# Altium PCB STeaMi-VerB1.PcbDoc (part 1 of 5) (continued)
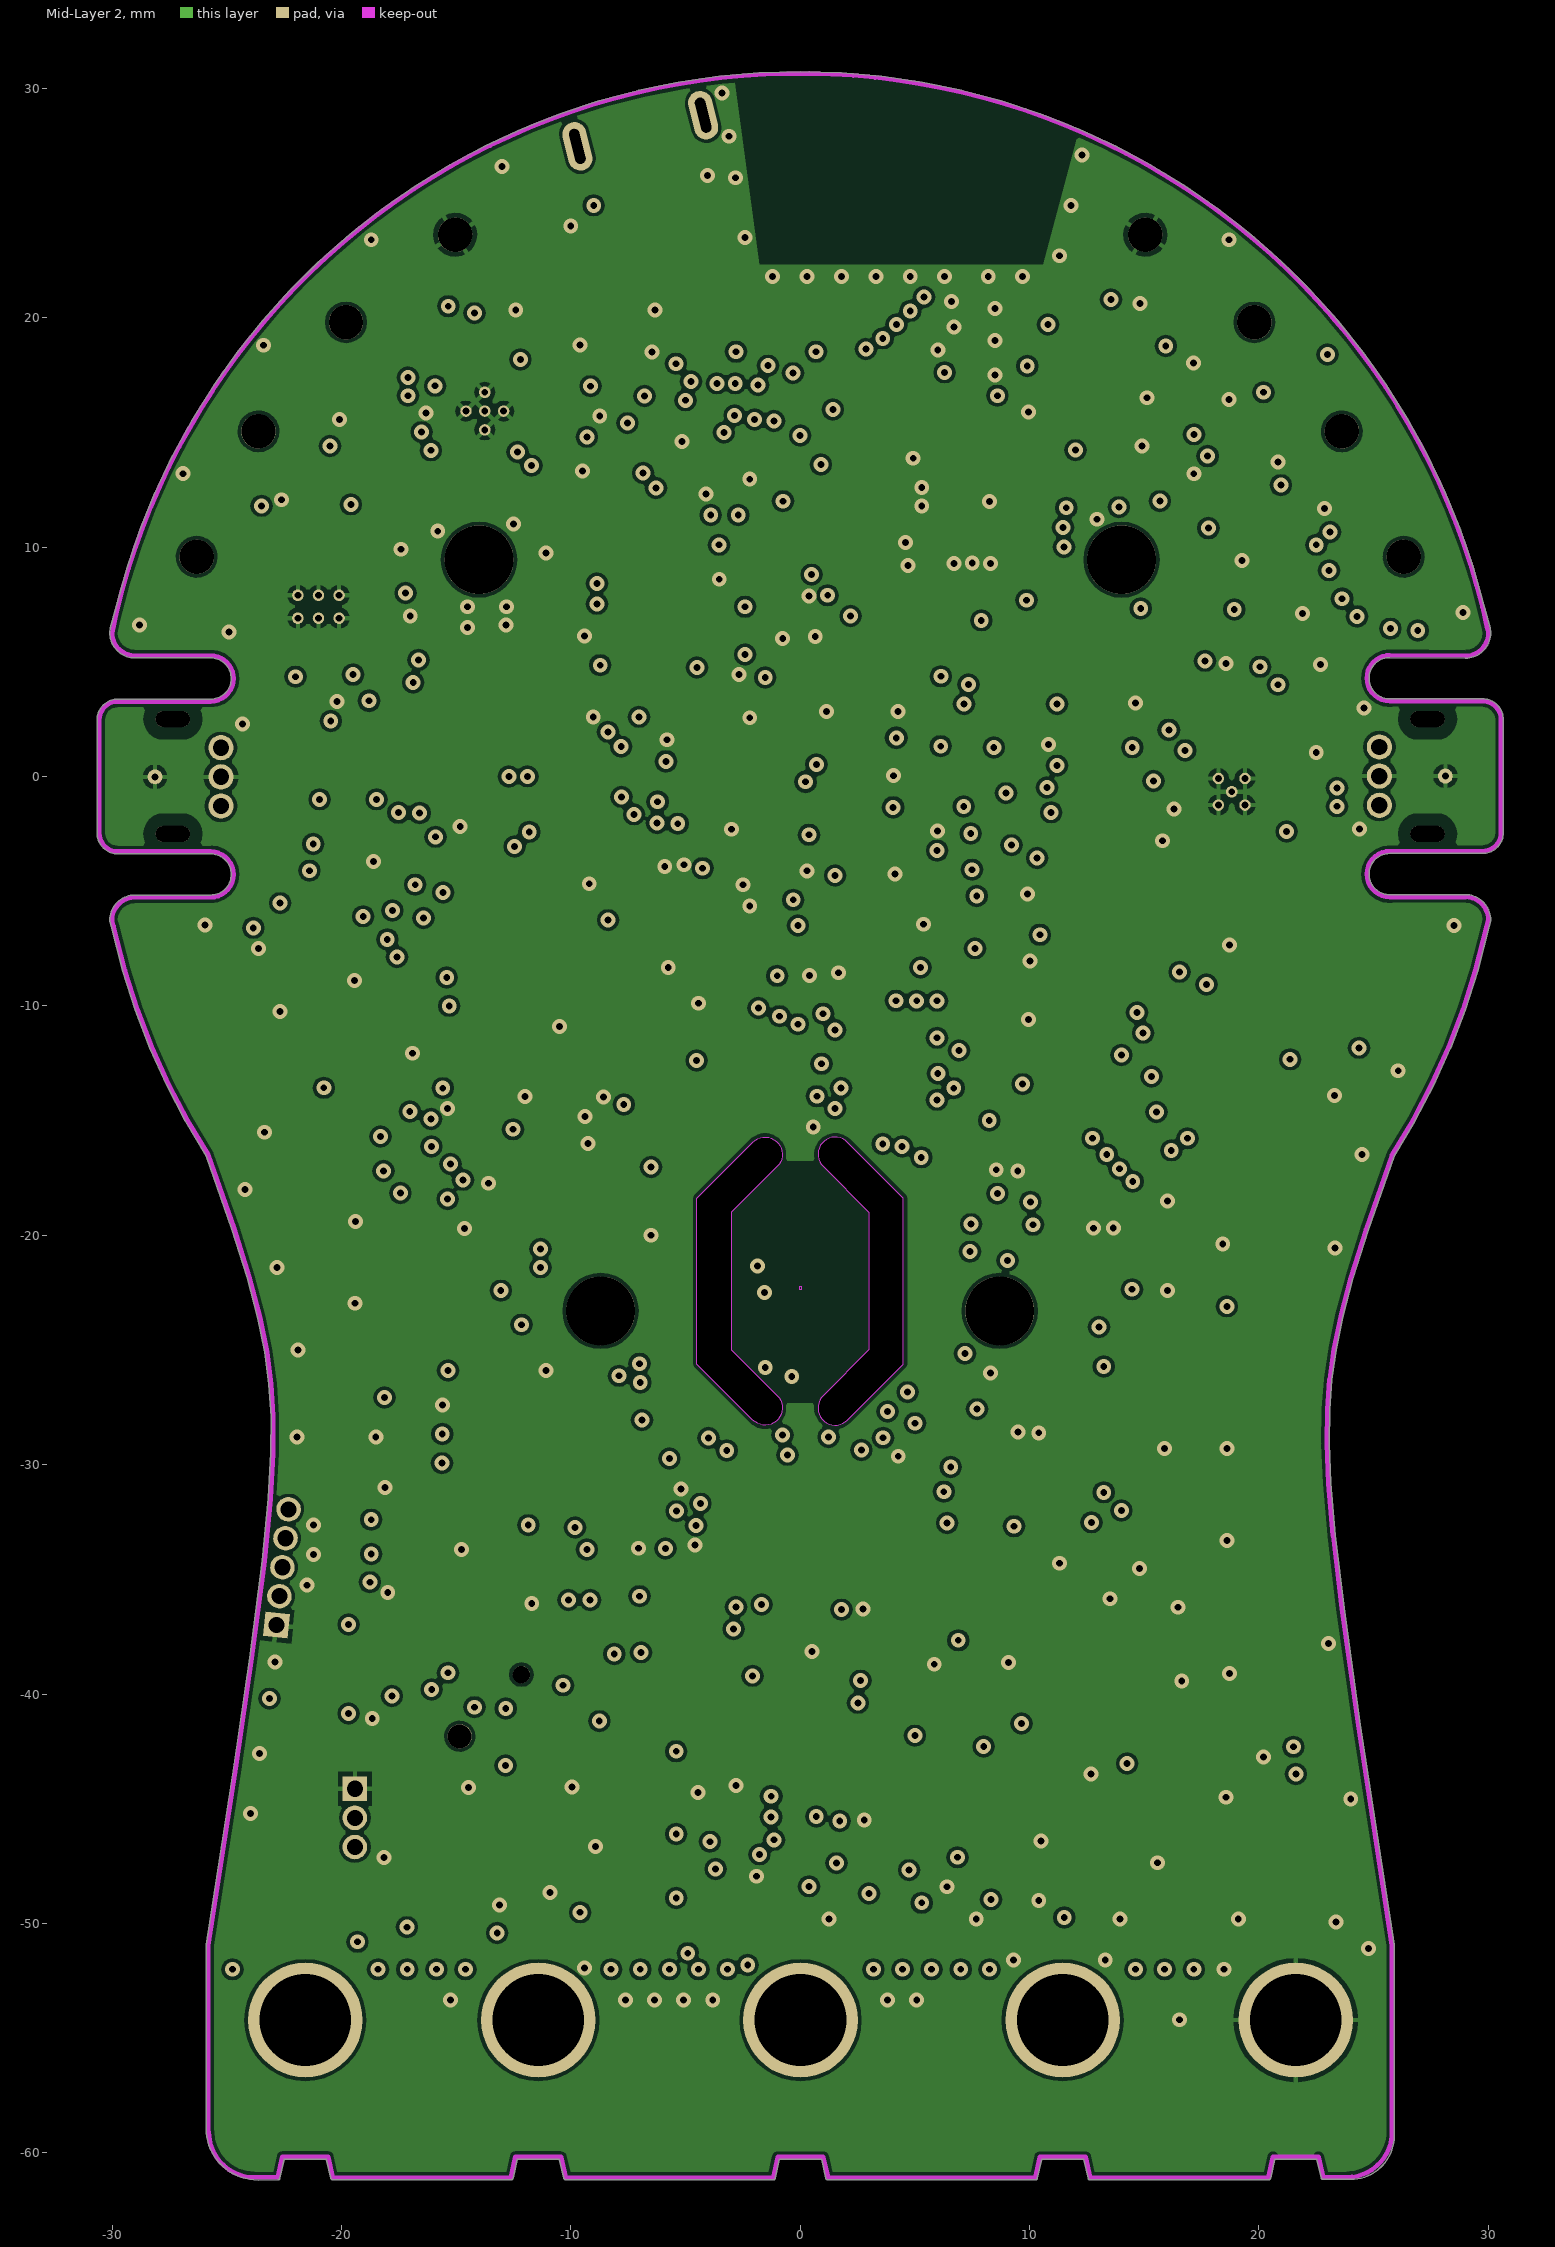
[diagram p3: Mid-Layer 2]
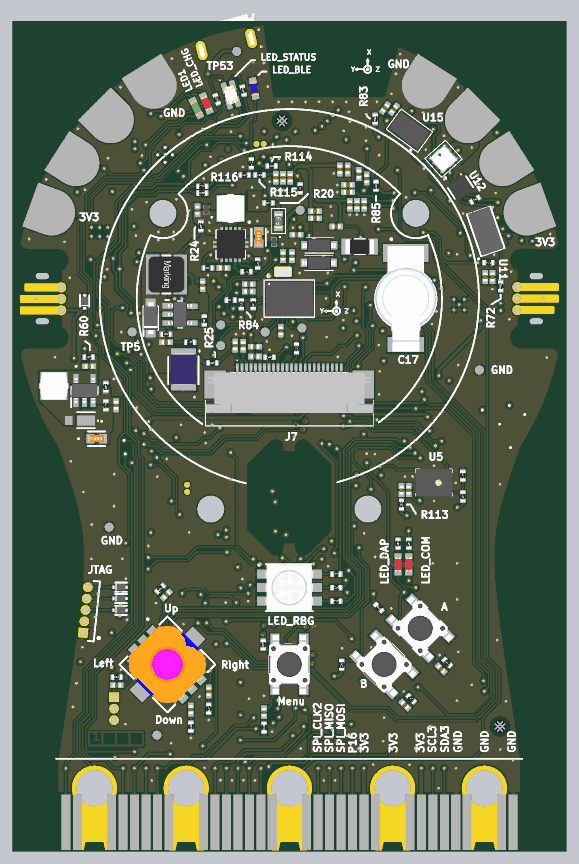
[diagram p8: 3D render of the assembled board from above, using the file's embedded part models]
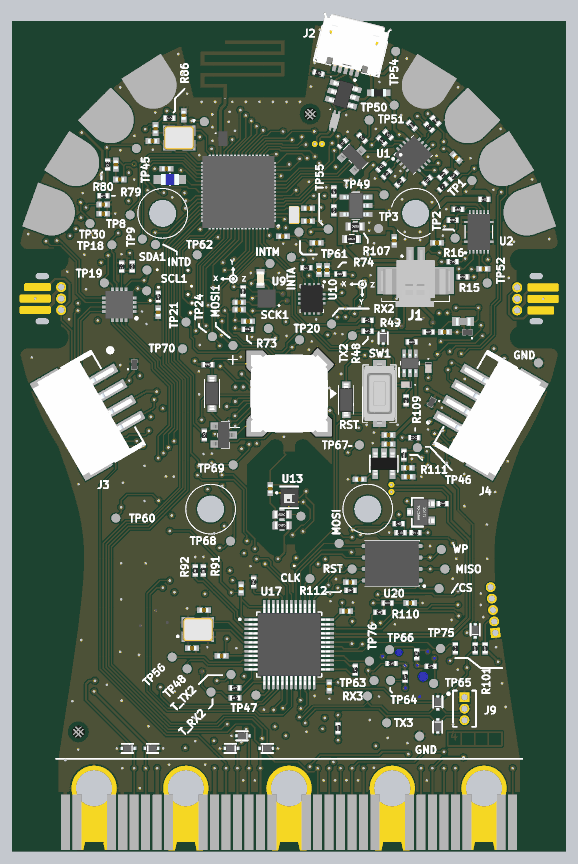
[diagram p9: 3D render of the assembled board from below, using the file's embedded part models]

## Layer stack, top to bottom
Top Solder: solder mask 0.015, Solder Resist, Dk 3.5
Top Layer: signal copper 0.035
Dielectric1: prepreg 0.201, Prepreg, Dk 4.5
Mid-Layer 1: signal copper 0.018
Dielectric2: core 1.065, FR-4, Dk 4.7
Mid-Layer 2: signal copper 0.018
Dielectric3: prepreg 0.201, Prepeg, Dk 4.5
Bottom Layer: signal copper 0.035
Bottom Solder: solder mask 0.015, Solder Resist, Dk 3.5

## Board outline
354 vertices, not listed, extent -30.65,-61.189 30.651,30.725

## Design rules (kind name [scope] priority, off if disabled: settings)
BoardOutlineClearance Microbit [All] p1: gap=0 ignorepadtopadclearanceinfootprint=FALSE
BoardOutlineClearance [All] p2: gap=0.25 ignorepadtopadclearanceinfootprint=FALSE except(0: Arc-SplitContinuation Track-SplitContinuation SMDPad-SplitContinuation THPad-SplitContinuation Via-SplitContinuation Fill-SplitContinuation Poly-SplitContinuation Region-SplitContinuation Text-SplitContinuation)
Clearance "Schematic Clearance Constraint_2" [InNet('I2C1_SCL')] p1: gap=0.16 ignorepadtopadclearanceinfootprint=FALSE except(0.15: Text-Text Text-Hole; 0.18: Arc-Arc Arc-Track Track-Track; 0.2: Arc-Fill Arc-Poly Arc-Region Track-Fill Track-Poly Track-Region)
Clearance "Schematic Clearance Constraint_1" [InNet('I2C1_SDA')] p2: gap=0.16 ignorepadtopadclearanceinfootprint=FALSE except(0.15: Text-Text Text-Hole; 0.18: Arc-Arc Arc-Track Track-Track; 0.2: Arc-Fill Arc-Poly Arc-Region Track-Fill Track-Poly Track-Region)
Clearance "Schematic Clearance Constraint" [InNet('NetANT1_1')] p3: gap=0.2 ignorepadtopadclearanceinfootprint=FALSE
Clearance U10 [InNamedPolygon('Bottom Layer-NetC48_2')] p4: gap=0.15 ignorepadtopadclearanceinfootprint=TRUE
Clearance GND_TOP [InNamedPolygon('GND_L01_P090')] p5: gap=0.15 ignorepadtopadclearanceinfootprint=FALSE
Clearance GND_BOTTOM [InNamedPolygon('GND_BOTTOM')] p6: gap=0.15 ignorepadtopadclearanceinfootprint=FALSE
Clearance GND_LAYER2 [InNamedPolygon('GND_L04_P100')] p7: gap=0.15 ignorepadtopadclearanceinfootprint=FALSE
Clearance 3V3_LAYER_1 [InNamedPolygon('+3V3@1200MA_L02_P060')] p8: gap=0.15 ignorepadtopadclearanceinfootprint=FALSE
Clearance POWER [InNamedPolygon('3V3_Layer1')] p9: gap=0.15 ignorepadtopadclearanceinfootprint=FALSE
Clearance DC/DC_GND [InNamedPolygon('DC/DC_GND')] p10: gap=0.15 ignorepadtopadclearanceinfootprint=FALSE
Clearance Microphone [InComponent('U5') vs OnLayer('Top Layer')] p11: gap=0 ignorepadtopadclearanceinfootprint=FALSE
Clearance HEADER_JTAG [InComponent('J8')] p12: gap=0.15 ignorepadtopadclearanceinfootprint=FALSE
Clearance "PAD Microbit" [InComponent('PCB1')] p13: gap=0.15 ignorepadtopadclearanceinfootprint=FALSE except(0: Arc-SMDPad Arc-Fill Arc-Poly Arc-Region Track-SMDPad Track-Fill Track-Poly Track-Region SMDPad-SMDPad SMDPad-Fill SMDPad-Poly SMDPad-Region Via-Fill Via-Poly Via-Region Fill-Fill Fill-Poly Fill-Region Poly-Poly Poly-Region Region-Region)
Clearance "PAD header" [InComponent('TP10') Or InComponent('TP11') Or InComponent('TP12') Or InComponent('TP13')Or InComponent('TP14') Or InComponent('TP15') Or InComponent('TP16')Or InComponent('TP17') vs OnLayer('Keep-Out Layer')] p14: gap=0 ignorepadtopadclearanceinfootprint=FALSE
Clearance Clearance_2 [InNamedPolygon('Top Layer-NetC56_2')] p15: gap=0.15 ignorepadtopadclearanceinfootprint=FALSE
Clearance Clearance_1 [InNamedPolygon('Mid-Layer 1-NetC45_2')] p16: gap=0.15 ignorepadtopadclearanceinfootprint=FALSE
Clearance Clearance-xPP-xTP-xTT [All] p17: gap=0.15 ignorepadtopadclearanceinfootprint=TRUE except(0: Arc-Hole Track-Hole SMDPad-Hole THPad-Hole Via-Hole Text-Hole)
ComponentClearance [All] p1: gap=0 collisioncheckmode=3 verticalgap=0 showdistances=FALSE
DiffPairsRouting [All] p1: maxlimit=0.15 minlimit=0.15 mostfreqgap=0.15 toplayer_minwidth=0.15 toplayer_maxwidth=0.22 toplayer_prefwidth=0.2 midlayer1_minwidth=0.15 midlayer1_maxwidth=0.15 midlayer1_prefwidth=0.15 midlayer2_minwidth=0.15 midlayer2_maxwidth=0.15 midlayer2_prefwidth=0.15 bottomlayer_minwidth=0.15 bottomlayer_maxwidth=0.22 bottomlayer_prefwidth=0.2 maxuncoupledlength=12.7
Height [All] p1: minheight=0 maxheight=25 prefheight=12.5
HoleSize HoleSize-PTH [All] p1: absolutevalues=TRUE maxlimit=4 minlimit=0.3 maxpercent=80.000 minpercent=20.000
HoleToHoleClearance [All] p1: gap=0.25 allowstackedmicrovias=TRUE
MinimumAnnularRing "Minimum IAR <=0.45mm_Thermalpad" [InComponent('U2') Or InComponent('U8')Or InComponent('U1')] p1: minimumring=0.1 // minimum inner annular ring for pads <= 0.45mm finished hole size
MinimumAnnularRing "Minimum IAR <=0.45mm" [((ObjectKind = 'Pad') OR (ObjectKind = 'Via')) And (Layer = 'MultiLayer') And (HoleDiameter <= AsMM(0.45))] p2: minimumring=0.175 // minimum inner annular ring for pads <= 0.45mm finished hole size
MinimumAnnularRing "Minimum IAR  >0.45mm" [((ObjectKind = 'Pad') OR (ObjectKind = 'Via')) And (Layer = 'MultiLayer') And (HoleDiameter > AsMM(0.45))] p3: minimumring=0.175 // minimum inner annular ring for pads > 0.45mm finished hole size
MinimumSolderMaskSliver MinimumSolderMaskSliver_U12 [HasFootprint('2511020213301')] p1: minsoldermaskwidth=0.01
MinimumSolderMaskSliver [All] p2: minsoldermaskwidth=0.08
PlaneClearance PlaneClearance-IPI [All] p1: clearance=0.25
PlaneConnect [All] p1: planeconnectstyle=Relief reliefexpansion=0.175 reliefentries=4 reliefconductorwidth=0.2 reliefairgap=0.2
PolygonConnect PolygonConnect_22 [All vs IsNamedPolygon('POWER_L04_P000')] p1: connectstyle=Direct reliefconductorwidth=0.254 reliefentries=4 polygonreliefangle="90 Angle" airgapwidth=0.254
PolygonConnect PolygonConnect_21 [All vs IsNamedPolygon('+3V3@1200MA_L02_P078')] p2: connectstyle=Relief reliefconductorwidth=0.254 reliefentries=4 polygonreliefangle="90 Angle" airgapwidth=0.254
PolygonConnect NETC59_2 [All vs IsNamedPolygon('Top Layer-NetC59_2')] p3: connectstyle=Direct reliefconductorwidth=0.254 reliefentries=4 polygonreliefangle="90 Angle" airgapwidth=0.254
PolygonConnect PolygonConnect_20 [All vs IsNamedPolygon('Bottom Layer-PACK_OUT')] p4: connectstyle=Direct reliefconductorwidth=0.254 reliefentries=4 polygonreliefangle="90 Angle" airgapwidth=0.254
PolygonConnect polyconConnectVias [InNet('GND') vs InNet('GND') AND IsVia] p5: connectstyle=Direct reliefconductorwidth=0.254 reliefentries=4 polygonreliefangle="90 Angle" airgapwidth=0.254
PolygonConnect LAYER2_GND_ANTENNA [All vs IsNamedPolygon('GND-ANTENNA-TRACK')] p6: connectstyle=Direct reliefconductorwidth=0.254 reliefentries=4 polygonreliefangle="90 Angle" airgapwidth=0.254
PolygonConnect "Track antenna" [All vs IsNamedPolygon('GND-ANTENNA-TRACK')] p7: connectstyle=Direct reliefconductorwidth=0.254 reliefentries=4 polygonreliefangle="90 Angle" airgapwidth=0.254
PolygonConnect GND_antenna [All vs IsNamedPolygon('Antenna_GND')] p8: connectstyle=Direct reliefconductorwidth=0.254 reliefentries=4 polygonreliefangle="90 Angle" airgapwidth=0.254
PolygonConnect PolygonConnect_19 [All vs IsNamedPolygon('DC/DC_GND')] p9: connectstyle=Direct reliefconductorwidth=0.254 reliefentries=4 polygonreliefangle="90 Angle" airgapwidth=0.254
PolygonConnect Alim5V [InNetClass('Alims_JACDAC')] p10: connectstyle=Direct reliefconductorwidth=0.254 reliefentries=4 polygonreliefangle="90 Angle" airgapwidth=0.254
PolygonConnect PolygonConnect_18 [All vs IsNamedPolygon('GND_L01_P058')] p11: connectstyle=Direct reliefconductorwidth=0.254 reliefentries=4 polygonreliefangle="90 Angle" airgapwidth=0.254
PolygonConnect PolygonConnect_17 [All vs IsNamedPolygon('Mid-Layer 2-GND')] p12: connectstyle=Direct reliefconductorwidth=0.254 reliefentries=4 polygonreliefangle="90 Angle" airgapwidth=0.254
PolygonConnect PolygonConnect_16 [All vs IsNamedPolygon('Bottom Layer-GND')] p13: connectstyle=Direct reliefconductorwidth=0.254 reliefentries=4 polygonreliefangle="90 Angle" airgapwidth=0.254
PolygonConnect PolygonConnect_15 [All vs IsNamedPolygon('Top Layer-NetC56_2')] p14: connectstyle=Relief reliefconductorwidth=0.15 reliefentries=4 polygonreliefangle="45 Angle" airgapwidth=0.254
PolygonConnect PolygonConnect_14 [All vs IsNamedPolygon('Top Layer-NetC56_2')] p15: connectstyle=Direct reliefconductorwidth=0.254 reliefentries=4 polygonreliefangle="90 Angle" airgapwidth=0.254
PolygonConnect PolygonConnect_13 [All vs IsNamedPolygon('Mid-Layer 1-NetC45_2')] p16: connectstyle=Direct reliefconductorwidth=0.254 reliefentries=4 polygonreliefangle="90 Angle" airgapwidth=0.254
PolygonConnect PolygonConnect_12 [All vs IsNamedPolygon('Bottom Layer-NetC48_2')] p17: connectstyle=Direct reliefconductorwidth=0.254 reliefentries=4 polygonreliefangle="90 Angle" airgapwidth=0.254
PolygonConnect PolygonConnect_11 [All vs IsNamedPolygon('Bottom Layer-POWER')] p18: connectstyle=Direct reliefconductorwidth=0.254 reliefentries=4 polygonreliefangle="90 Angle" airgapwidth=0.254
PolygonConnect PolygonConnect_10 [All vs IsNamedPolygon('NONET_L01_P018')] p19: connectstyle=Direct reliefconductorwidth=0.254 reliefentries=4 polygonreliefangle="90 Angle" airgapwidth=0.254
PolygonConnect PolygonConnect_9 [All vs IsNamedPolygon('Top Layer-+14V5')] p20: connectstyle=Direct reliefconductorwidth=0.254 reliefentries=4 polygonreliefangle="90 Angle" airgapwidth=0.254
PolygonConnect PolygonConnect_8 [All vs IsNamedPolygon('Top Layer-NetD3_A')] p21: connectstyle=Direct reliefconductorwidth=0.254 reliefentries=4 polygonreliefangle="90 Angle" airgapwidth=0.254
PolygonConnect PolygonConnect_7 [All vs IsNamedPolygon('NONET_L01_P018')] p22: connectstyle=Relief reliefconductorwidth=0.254 reliefentries=4 polygonreliefangle="90 Angle" airgapwidth=0.254
PolygonConnect PolygonConnect_6 [All vs IsNamedPolygon('Top Layer-+14V5')] p23: connectstyle=Direct reliefconductorwidth=0.254 reliefentries=4 polygonreliefangle="90 Angle" airgapwidth=0.254
PolygonConnect PolygonConnect_5 [All vs IsNamedPolygon('Top Layer-+3V3@1200mA')] p24: connectstyle=Direct reliefconductorwidth=0.254 reliefentries=4 polygonreliefangle="90 Angle" airgapwidth=0.254
PolygonConnect PolygonConnect_4 [All vs IsNamedPolygon('Top Layer-SYST')] p25: connectstyle=Direct reliefconductorwidth=0.254 reliefentries=4 polygonreliefangle="90 Angle" airgapwidth=0.254
PolygonConnect PolygonConnect_3 [All vs IsNamedPolygon('Top Layer-+3V3')] p26: connectstyle=Direct reliefconductorwidth=0.254 reliefentries=4 polygonreliefangle="90 Angle" airgapwidth=0.254
PolygonConnect PolygonConnect_2 [All vs IsNamedPolygon('Bottom Layer-PACK_OUT')] p27: connectstyle=Direct reliefconductorwidth=0.254 reliefentries=4 polygonreliefangle="90 Angle" airgapwidth=0.254
PolygonConnect PolygonConnect_1 [All vs IsNamedPolygon('Bottom Layer-SYST')] p28: connectstyle=Direct reliefconductorwidth=0.254 reliefentries=4 polygonreliefangle="90 Angle" airgapwidth=0.254
PolygonConnect [All vs IsNamedPolygon('+3V3_L01_P010')] p29: connectstyle=Direct reliefconductorwidth=0.254 reliefentries=4 polygonreliefangle="90 Angle" airgapwidth=0.254
PolygonConnect PolygonConnect-xTW [All] p30: connectstyle=Relief reliefconductorwidth=0.2 reliefentries=4 polygonreliefangle="90 Angle" airgapwidth=0.2
RoutingCorners [All] p1: cornerstyle=45-Degree minsetback=2.5 maxsetback=2.5
RoutingVias RoutingVias_pair_diff [InDifferentialPairClass('All Differential Pairs')] p1: holewidth=0.3 width=0.65 viastyle="Through Hole" minholewidth=0.25 minwidth=0.6 maxholewidth=0.45 maxwidth=0.8 // finishet hole size <= 0.45mm
RoutingVias "RoutingVias <= 0.45mm" [(ObjectKind = 'Via') And (HoleDiameter <= AsMM(0.45))] p2: holewidth=0.3 width=0.65 viastyle="Through Hole" minholewidth=0.25 minwidth=0.6 maxholewidth=0.45 maxwidth=0.8 // finishet hole size <= 0.45mm
RoutingVias "RoutingVias > 0.45mm" [(ObjectKind = 'Via') And (HoleDiameter > AsMM(0.45))] p3: holewidth=0.5 width=0.85 viastyle="Through Hole" minholewidth=0.5 minwidth=0.85 maxholewidth=0.9 maxwidth=1.25 // finishet hole size > 0.45mm
ShortCircuit J8 [All vs InPadClass('All Pads')] p1: allowed=TRUE
ShortCircuit [All] p2: allowed=FALSE
SilkToSilkClearance [All] p1: silktosilkclearance=0.15
SilkToSolderMaskClearance SilkscreenOverComponentPads [IsPad] p1: minsilkscreentomaskgap=0.15 clearancetoexposedcopper=TRUE
SolderMaskExpansion [All] p1: expansion=0
UnRoutedNet [All] p1: checkbadconnections=TRUE
Width "Schematic Width Constraint_4" [InNetClass('Alims_JACDAC')] p1: maxlimit=0.5 minlimit=0.254 preferedwidth=0.4
Width "Schematic Width Constraint_3" [InNet('NetF1_2')] p2: maxlimit=0.5 minlimit=0.3 preferedwidth=0.4
Width "Schematic Width Constraint_2" [InNet('+3V3')] p3: maxlimit=0.5 minlimit=0.3 preferedwidth=0.4
Width "Schematic Width Constraint_1" [InNet('NetD1_5')] p4: maxlimit=0.4 minlimit=0.3 preferedwidth=0.35
Width "Schematic Width Constraint" [InNet('SYST')] p5: maxlimit=0.5 minlimit=0.254 preferedwidth=0.4
Width Width-xTW [All] p6: maxlimit=1.5 minlimit=0.15 preferedwidth=0.2
17 further rules are at their usual default settings.

## Classes and differential pairs
net class Alims_JACDAC: 5V_JD_PWR@100mA NetC85_1 NetC86_2 NetD25_A
component class "FP15 Mémoire flash": C82 R110 R112 U20
component class "FP14 Microcontrôleur Interface": C69 C70 C71 C72 C73 C74 C75 C77 C78 C79 C80 C81 C83 D20 D21 D26 D27 J9 R63 R89 R90 R91 R92 R93 R94 R95 R96 R97 R98 R99 R100 R101 R102 R103 R104 R105 R107 R109 R111 T3 T4 TP37 TP38 TP39 TP40 TP41 TP42 TP43 TP44 TP46 TP47 TP48 TP56 TP71 TP72 TP75 TP76 U17 U19 U21 X4
component class "FP13-Port Spécifique": C42 D8 D9 D10 D11 D12 D13 D14 D22 D23 D24 FB2 J3 J4 J5 J6 PCB1 "PCB 1" R47 R48 R49 TP10 TP11 TP12 TP13 TP14 TP15 TP16 TP17 TP73 TP74
component class "FP12-Capteur Interne": C48 C49 C50 C51 C52 C53 C54 C55 C56 C57 C58 C59 C60 C61 C62 C63 C64 C65 C66 C67 C68 R72 R73 R74 R75 R76 R77 R78 R79 R80 R81 R82 R83 R84 R85 R86 R87 R88 TP25 TP26 TP27 TP28 TP29 TP30 TP31 TP32 TP33 TP34 TP35 TP36 TP45 U9 U10 U11 U12 U13 U14 U15 U16 X3
component class "FP11 Port JTAG": D16 D17 D18 D19 J8 R70 R71
component class "FP10-Sortie Audio": D15 LS1 R68 R69 T2 TP70
component class "FP9 bouton de contrôle": C35 C36 C37 C38 C39 C40 C41 R33 R34 R35 R36 R37 R38 R39 R40 R41 R42 R43 R44 R45 R46 SW2 SW3 SW4 SW5 TP67 TP68 TP69
component class "FP8 Display & LED status": C44 C45 C46 C47 J7 LED_BLE LED_CHG LED_COM LED_DAP LED_RBG LED_STATUS R53 R54 R55 R57 R58 R61 R62 R64 R65 R66 R67 TP20 TP21 TP22 TP23 TP24
component class "FP7 Port extension": C43 R50 R51 R52 TP18 TP19 TP63 TP64 TP65 TP66 U8
component class "FP6 Microcontrôleur": ANT1 C11 C12 C13 C14 C15 C16 C17 C18 C19 C20 C21 C22 C23 C24 C25 C26 C27 C28 C29 C30 C31 C32 C33 C34 D5 D6 D7 L4 R31 R32 R106 R108 R114 R115 R116 SW1 TP8 TP9 TP61 TP62 U6 U7 X1 X2
component class FP5-Microphone: C9 C10 R29 R30 R113 TP60 U5
component class "FP3-Jauge Batterie": C1 C2 R15 R16 R17 R18 R19 TP1 TP2 TP52 U2
component class "FP2-Chargeur de Batterie": C84 D1 FB1 J2 L1 LED1 R1 R2 R3 R4 R5 R6 R7 R8 R9 R10 R11 R12 R13 R14 T1 TP49 TP50 TP51 TP53 TP54 U1
component class FP1-Batterie: J1
net class Alims: +3V3 +3V3@1200mA +5V_USB NetC8_2 NetC80_2 NetD1_5 NetF1_2 PACK+ PACK_OUT POWER POWER_ST_LINK SYST
component class FP4-Alimentation: C3 C4 C5 C6 C7 C8 C85 C86 C87 D2 D3 D4 D25 F1 L2 L3 L5 PT1 PT3 R20 R21 R22 R23 R24 R25 R26 R27 R28 R56 R59 R60 TP3 TP4 TP5 TP6 TP7 TP55 TP57 TP58 TP59 U3 U4 U22
differential pair USB_STLINK: +USB_STLINK_P -USB_STLINK_N

## Components (designator, comment, footprint, x,y, rotation, side; value= is the part's Value field where it differs from the comment)
ANT1 "PCB ANT" PCB_ANT 7.1,22.2 r180 bottom
C1 "#Circular Reference?" 0402-CAP -21.506,3.3 r180 bottom
C2 "#Circular Reference?" 0402-CAP -16.365,6.2 r180 bottom
C3 "#Circular Reference?" 0603-CAP -3.4,6.8 r0 top
C4 "#Circular Reference?" 0402-CAP -10.164,9.79 r270 top
C5 "#Circular Reference?" 0402-CAP -7.3,3.4 r180 top
C6 "#Circular Reference?" 0402-CAP -13.657,-4.826 r180 top
C7 "#Circular Reference?" "CAPC3225X55N_1210 - TANTAL" -11.729,-7.825 r270 top
C8 "#Circular Reference?" 0402-CAP -9.6,1.49 r270 top
C9 "#Circular Reference?" 0402-CAP 12.422,-21.2 r270 top
C10 "#Circular Reference?" 0402-CAP 13.222,-21.2 r270 top
C11 "#Circular Reference?" 0402-CAP -1.5,13.4 r90 top
C12 "#Circular Reference?" 0402-CAP -0.7,13.4 r90 top
C13 "#Circular Reference?" 0402-CAP 0.1,13.4 r270 top
C14 "#Circular Reference?" 0402-CAP 7.71,13.8 r270 top
C15 "#Circular Reference?" 0402-CAP 8.564,13.304 r270 top
C16 "#Circular Reference?" 0402-CAP 0.8,7.1 r0 top
C17 "#Circular Reference?" DSK3R3H204T614 12.9,0 r0 top locked
C18 "#Circular Reference?" 0402-CAP 5.6,14.315 r90 top
C19 "#Circular Reference?" 0402-CAP 6.46,14.315 r90 top
C20 "#Circular Reference?" 0402-CAP 2.84,9.7 r180 top
C21 "#Circular Reference?" 0402-CAP 2.84,8.9 r180 top
C22 "#Circular Reference?" 0402-CAP 5.2,8 r0 top
C23 "#Circular Reference?" 0402-CAP 8.3,10.4 r90 top
C24 "#Circular Reference?" 0402-CAP 7.5,10.4 r90 top
C25 "#Circular Reference?" 0402-CAP 6.7,10.4 r90 top
C26 "#Circular Reference?" 0402-CAP 15.133,17.468 r180 bottom
C27 "#Circular Reference?" 0402-CAP 11.68,20.301 r270 bottom
C28 "#Circular Reference?" 0402-CAP -2.1,10 r0 bottom
C29 "#Circular Reference?" 0402-CAP -2.1,8.6 r0 bottom
C30 "#Circular Reference?" 0402-CAP 0.7,6.9 r180 bottom
C31 "#Circular Reference?" 0402-CAP -3.04,6.2 r0 bottom
C32 "#Circular Reference?" 0402-CAP 6.5,12.6 r0 top
C33 "#Circular Reference?" 0402-CAP 6.5,11.8 r0 top
C34 "#Circular Reference?" 0402-CAP 13.6,14.4 r180 bottom
C35 "#Circular Reference?" 0402-CAP -13.6,-32.8 r225 top
C36 "#Circular Reference?" 0402-CAP -19.1,-42.8 r0 top
C37 "#Circular Reference?" 0402-CAP -8.925,-43.5 r90 top
C38 "#Circular Reference?" 0402-CAP -10.9,-45.5 r90 top
C39 "#Circular Reference?" 0402-CAP -2.8,-45.8 r90 top
C40 "#Circular Reference?" 0402-CAP 12.8,-45 r135 top
C41 "#Circular Reference?" 0402-CAP 16.8,-41 r135 top
C42 "#Circular Reference?" 0402-CAP -17.242,-3.688 r0 bottom
C43 "#Circular Reference?" 0402-CAP 14.5,-1.5 r90 bottom
C44 "#Circular Reference?" 0402-CAP -6,-5.198 r270 top
C45 "#Circular Reference?" 0402-CAP -5.1,-5.2 r270 top
C46 "#Circular Reference?" 0402-CAP -3.81,-5.3 r180 top
C47 "#Circular Reference?" 0402-CAP -3.81,-6.4 r180 top
C48 "#Circular Reference?" 0402-CAP -3.302,3.175 r270 bottom
C49 "#Circular Reference?" 0402-CAP -4.191,3.175 r270 bottom
C50 "#Circular Reference?" 0402-CAP 5.54,-0.4 r180 bottom
C51 "#Circular Reference?" 0402-CAP 5.54,-1.2 r180 bottom
C52 "#Circular Reference?" 0402-CAP 4.566,-2.505 r180 bottom
C53 "#Circular Reference?" 0603-CAP-Small 3.175,2.23 r0 bottom
C54 "#Circular Reference?" 0402-CAP 21.7,2.4 r90 top
C55 "#Circular Reference?" 0402-CAP 22.5,2.4 r90 top
C56 "#Circular Reference?" 0402-CAP 20.6,10.435 r0 bottom
C57 "#Circular Reference?" 0402-CAP 20.6,9.42 r0 bottom
C58 "#Circular Reference?" 0402-CAP 2.085,-21.06 r270 bottom
C59 "#Circular Reference?" 0402-CAP 18.76,13.2 r180 bottom
C60 "#Circular Reference?" 0402-CAP 19.2,14.847 r90 bottom
C61 "#Circular Reference?" 0402-CAP -0.7,4.7 r270 top
C62 "#Circular Reference?" 0402-CAP 14.8,18.8 r90 bottom
C63 "#Circular Reference?" 0402-CAP 10.597,21.123 r233 top
C64 "#Circular Reference?" 0402-CAP 11.6,20.977 r233 top
C65 "#Circular Reference?" 0402-CAP 0.3,4.7 r270 top
C66 "#Circular Reference?" 0402-CAP -4.5,0.8 r0 top
C67 "#Circular Reference?" 0402-CAP -4.5,1.6 r0 top
C68 "#Circular Reference?" 0402-CAP -0.935,-3.557 r90 top
C69 "#Circular Reference?" 0402-CAP -4.453,-42.935 r90 bottom
C70 "#Circular Reference?" 0402-CAP 7.48,-39.55 r180 bottom
C71 "#Circular Reference?" 0402-CAP 5.322,-32.1 r270 bottom
C72 "#Circular Reference?" 0402-CAP -6.316,-34.615 r0 bottom
C73 "#Circular Reference?" 0402-CAP 9.437,-34.483 r180 bottom
C74 "#Circular Reference?" 0402-CAP 10.76,-38.697 r0 bottom
C75 "#Circular Reference?" 0402-CAP -13.4,-33.7 r0 bottom
C77 "#Circular Reference?" 0402-CAP -11,-15.096 r180 bottom